# KiCad board RunType58.kicad_pcb (continued)
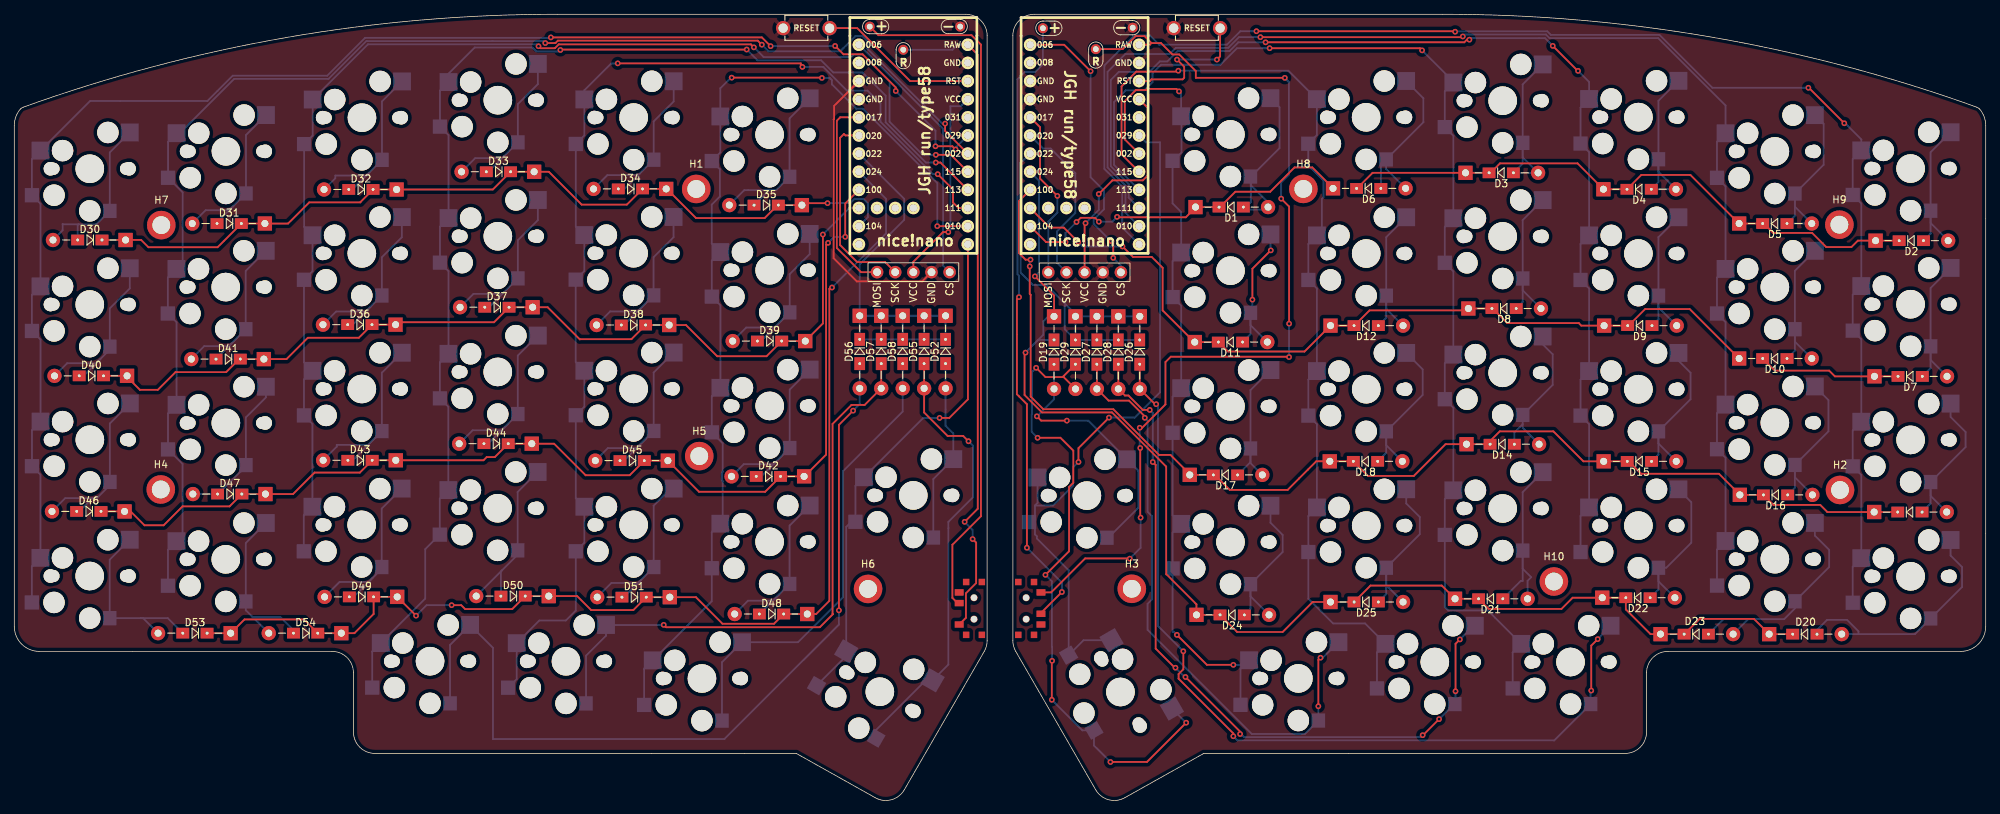
[diagram p0: board, top side]
## Routing (per net, layer and track width the routed paths; a pad name or vN(x,y) marks a point on that pad's centre or on a via; arc(x,y) is an arc through that point) (continued)
COL5: length 186.9
  Top w0.25: v1(174.42,106.89) 202.66,106.89 v1(202.76,106.99)
  Bottom w0.25: U1.14 155.54,82.32 155.54,86.13 153.04,88.63 153.04,102.04 155.52,104.53 161.71,104.53 162.58,105.4 169.93,105.4 171.42,106.89 174.42,106.89 v1(174.42,106.89) ; SW23.1 238.34,35.13 SW23.1 239.54,47.99 SW16.1 238.34,54.23 SW16.1 239.54,66.99 SW10.1 238.34,73.23 SW10.1 239.54,85.99 SW5.1 238.34,92.23 SW5.1 239.54,97.32 230.1,106.76 214.89,106.76 214.39,107.26 203.03,107.26 v1(202.76,106.99)
COL6: length 210.3
  Top w0.25: v1(251.13,99.8) 251.19,99.8 v1(256.16,94.83) ; v1(201.69,107.65) 201.62,107.72 v1(173.87,107.72)
  Bottom w0.25: v1(201.69,107.65) 201.75,107.71 214.58,107.71 215.08,107.21 230.28,107.21 237.69,99.8 251.12,99.8 v1(251.13,99.8) ; U1.13 155.09,80.23 155.09,85.94 152.59,88.44 152.59,102.93 156.77,107.12 158.97,107.12 160.24,105.85 169.74,105.85 171.62,107.72 v1(173.87,107.72) ; v1(256.16,94.83) 256.28,94.83 258.54,92.57 SW2.1 ; SW20.1 257.34,32.73 SW20.1 258.54,45.59 SW13.1 257.34,51.83 SW13.1 258.54,64.59 SW7.1 257.34,70.83 SW7.1 258.54,83.59 SW2.1 257.34,89.83 258.22,90.71
CSL: length 37.1
  Bottom w0.25: Display1.5 130.01,74.9 130.01,94.04 U2.1
CSR: length 41.1
  Top w0.25: U1.1 146.96,105.82 v1(150.66,102.12) ; v1(153.59,78.31) 153.83,78.07 v1(153.83,75.98)
  Bottom w0.25: Display2.5 154.9,74.91 v1(153.83,75.98) ; v1(150.66,102.12) 150.66,87.27 152.53,85.4 152.53,82.79 151.09,81.35 151.09,80.75 153.53,78.31 v1(153.59,78.31)
LCOL0: length 212.2
  Top w0.25: v1(105.87,105.63) 104.65,106.85 v1(75.11,106.85) ; v1(128.95,91.61) 131.31,91.61 v1(131.76,91.16) ; v1(123.39,99.35) 123.39,99.84 118.74,104.49 116.07,104.49 v1(114.9,105.66)
  Bottom w0.25: U2.19 131.76,91.42 v1(131.76,91.16) ; v1(114.9,105.66) 114.87,105.63 v1(105.87,105.63) ; SW53.1 2.46,32.77 SW53.1 3.66,45.63 SW46.1 2.48,51.85 SW46.1 3.68,64.54 SW40.1 2.47,70.79 SW40.1 3.67,83.56 SW30.1 2.47,89.8 SW30.1 10.62,97.95 27.04,97.95 30.58,101.49 43.8,101.49 49.1,106.79 75.05,106.79 v1(75.11,106.85) ; v1(128.95,91.61) 128.95,93.79 v1(123.39,99.35)
LCOL1: length 194.7
  Top w0.25: U2.18 130.29,93.76 v1(130.29,94.79) ; v1(104.63,105.84) 104.07,106.4 76.09,106.4 75.75,106.07 v1(74.33,106.07)
  Bottom w0.25: 116.02,105.32 115.61,104.91 105.57,104.91 v1(104.63,105.84) ; 116.02,105.32 115.64,104.94 ; 116.02,105.32 117.73,107.03 118.74,107.03 119.43,106.34 119.43,105.29 119.41,105.28 129.9,94.79 v1(130.29,94.79) ; SW54.1 21.51,35.11 SW54.1 23.56,37.16 23.56,47.12 SW47.1 21.52,54.2 SW47.1 22.72,66.97 SW41.1 21.5,73.23 SW41.1 23.57,75.3 23.57,85.16 SW31.1 21.53,92.24 SW31.1 23.16,93.44 30.76,101.04 43.99,101.04 49.29,106.34 74.05,106.34 v1(74.33,106.07)
LCOL2: length 173.1
  Top w0.25: v1(129,90.41) 131.1,90.41 U2.17 ; v1(103.53,105.46) 103.11,105.88 76.2,105.88 75.66,105.34 73.65,105.34 v1(73.38,105.62)
  Bottom w0.25: v1(103.53,105.46) 104.89,104.1 117.16,104.1 117.54,104.49 118.72,104.49 122.52,100.69 122.52,95.05 127.16,90.41 v1(129,90.41) ; v1(73.38,105.62) 73.1,105.89 49.51,105.89 SW32.1 41.77,93.11 SW32.1 40.57,80.33 SW36.1 41.75,74.11 SW36.1 40.55,61.36 SW43.1 40.55,58.96 SW43.1 41.73,52.74 SW49.1 40.53,39.93 SW49.1
LCOL3: length 178.2
  Top w0.25: v1(76.44,105.1) 76.5,105.16 v1(102.52,105.16) ; v1(128.99,89.33) 129.64,89.33 U2.16
  Bottom w0.25: SW55.1 50.1,20.84 SW55.1 57.52,28.26 57.52,35.18 SW50.1 59.56,42.26 SW50.1 60.76,55.13 SW44.1 59.58,61.35 SW44.1 60.78,74.12 SW37.1 59.59,80.35 SW37.1 60.79,93.16 SW33.1 59.59,99.4 SW33.1 60.79,101.78 64.45,105.44 72.53,105.44 73.08,104.89 76.24,104.89 v1(76.44,105.1) ; v1(102.52,105.16) 104.02,103.65 112.94,103.65 114.64,101.95 118.72,101.95 121.97,98.7 121.97,94.96 127.6,89.33 v1(128.99,89.33)
LCOL4: length 159.6
  Top w0.25: v1(129.26,87.7) 131.4,85.56 131.4,83.73 132.16,82.97 U2.15 ; v1(84.47,103.22) 110.09,103.22 110.09,102.95 v1(110.32,102.72)
  Bottom w0.25: v1(129.26,87.7) 128.59,87.7 121.25,95.05 121.25,97.59 119.43,99.41 116.55,99.41 113.23,102.72 v1(110.32,102.72) ; v1(84.47,103.22) 84.44,103.19 83.54,103.19 79.8,99.45 SW34.1 79.8,93.13 SW34.1 78.6,80.36 SW38.1 79.79,74.13 SW38.1 78.59,61.39 SW45.1 79.8,55.14 SW45.1 78.6,42.33 SW51.1 79.8,36.09 SW51.1 78.6,26.59 77.21,25.2 73.5,25.2 SW57.1 70.33,16.99 SW57.1
LCOL5: length 143
  Top w0.25: v1(100.42,101.22) 113.01,101.22 v1(113.05,101.18) ; U2.14 129.2,80.43 v1(129.2,80.42)
  Bottom w0.25: v1(129.2,80.42) 129.2,86.46 118.79,96.87 117.87,96.87 114.45,100.29 114.45,100.87 114.26,101.06 ; 114.1,101.22 114.26,101.06 ; 114.26,101.06 114.14,101.18 v1(113.05,101.18) ; SW58.1 88.16,18.42 SW58.1 97.63,27.89 SW48.1 97.63,37.56 SW48.1 99.16,39.09 99.16,44.75 99.07,44.83 99.07,45.93 99.16,46.02 99.16,50.03 SW42.1 97.64,56.59 SW42.1 98.84,69.35 SW39.1 97.64,75.59 SW39.1 97.63,78 97.63,83.44 98.77,84.58 98.77,88.4 SW35.1 98.83,90.74 SW35.1 98.83,99.73 100.32,101.22 v1(100.42,101.22)
LCOL6: length 73.1
  Top w0.25: U2.13 133.48,77.87 133.48,56.18 130.88,53.57 v1(129.52,53.57)
  Bottom w0.25: SW56.1 116.45,20.24 SW56.1 116.45,38.31 117.16,39.02 SW52.1 117.74,44.06 SW52.1 118.94,45.28 127.23,53.57 v1(129.52,53.57)
MOSIL: length 28.1
  Top w0.25: Display1.1 118.51,73.98 115.14,77.36 115.14,95.19 115.61,95.67 U2.5
MOSIR: length 23.8
  Top w0.25: U1.5 143.58,94.28 143.58,87.09 v1(146,84.66)
  Bottom w0.25: Display2.1 144.74,81.06 146,82.33 v1(146,84.66)
RAWL: length 93.5
  Top w0.25: v1(133.02,39.02) 134.86,40.85 134.86,104.43 U2.24 ; v1(134.14,36.61) 134.64,36.11 134.64,30.44 133.21,29.02 133.21,25.59 132.26,24.64
  Bottom w0.25: Bat+2.1 131.32,105.13 132.02,105.83 U2.24 ; v1(134.14,36.61) 134.14,37.9 v1(133.02,39.02)
RAWR: length 135.1
  Top w0.25: v1(177.34,84.27) 178.45,83.16 v1(178.45,66.77) ; v1(156.14,33.86) 156.11,33.89 149.89,33.89 145.14,29.14 143.71,29.14 ; v1(157.61,49.36) 157.61,39.66 v1(157.66,39.61) ; 159.18,106.06 158.2,107.04 156.97,107.04 155.14,105.22 Bat+1.1 ; 159.18,106.06 160.52,106.06 162.1,104.47 163.06,104.47 165.39,102.14 165.39,101.19 v1(177.84,101.19) ; 159.18,106.06 158.94,105.82 U1.24 ; v1(178.44,62.09) 178.38,62.15 161.89,62.15 161.14,61.39 161.14,55.47 157.86,52.19 v1(157.54,52.19)
  Bottom w0.25: v1(178.45,66.77) 178.44,66.76 v1(178.44,62.09) ; v1(157.54,52.19) 157.54,49.43 v1(157.61,49.36) ; v1(157.66,39.61) 157.66,35.38 v1(156.14,33.86) ; v1(177.34,84.27) 177.34,86.54 178.42,87.62 178.42,100.61 v1(177.84,101.19) 178.44,100.59
RESETL: length 22.4
  Top w0.25: U2.22 125.4,100.75 117.99,108.16 114.13,108.16
RESETR: length 19.6
  Top w0.25: U1.22 158.94,100.74 159.18,100.98 163.54,100.98 163.76,101.2 163.76,102.75 v1(162.76,103.75) ; RSW1.2 168.79,104.2 v1(168.34,103.75)
  Bottom w0.25: v1(168.34,103.75) v1(162.76,103.75)
ROW0: length 134.4
  Top w0.25: D2.1 260.54,78.39 D2.1 258.05,78.39 257.15,77.5 253.62,77.5 251.65,79.47 246.21,79.47 244.89,80.79 D5.1 241.44,80.79 D5.1 241.41,80.79 234.62,87.59 227.74,87.59 D4.1 222.44,85.59 D4.1 218.81,89.22 207.96,89.22 206.64,87.89 D3.1 206.43,87.89 D3.1 190.13,87.89 187.95,85.71 D6.1 ; v1(151.81,81.05) 151.27,81.59 149.27,81.59 v1(148.69,81.01) ; 165.38,82.92 165.24,82.92 163.99,81.67 154.43,81.67 v1(154.36,81.73) ; D6.1 184.59,85.75 181.69,88.65 179.2,88.65 175.8,85.25 170.92,85.25 168.77,83.09 D1.1 168.63,83.09 D1.1 ; v1(147.15,78.19) 144.43,78.19 U1.11
  Bottom w0.25: v1(148.69,81.01) 147.15,79.47 v1(147.15,78.19) ; v1(151.81,81.05) 153.68,81.05 v1(154.36,81.73)
ROW1: length 138.3
  Top w0.25: D10.1 246.44,60.19 254.04,60.19 254.84,59.39 D7.1 263.67,59.39 D7.1 ; U1.10 144.94,80.22 146.91,80.22 v1(148.94,78.19) ; v1(155.12,77.58) 156.59,76.11 159.22,76.11 160.74,74.59 160.74,68.63 165.18,64.19 D11.1 165.24,64.19 D11.1 168.58,64.19 169.9,62.87 180.6,62.87 184.22,66.49 D12.1 184.24,66.49 D12.1 ; 187.57,66.49 189.71,68.63 203.28,68.63 D8.1 206.83,68.89 D8.1 206.94,68.89 208.98,66.85 218.99,66.85 219.34,66.49 D9.1 225.83,66.49 D9.1 225.95,66.49 228.28,68.82 234.51,68.82 D10.1
  Bottom w0.25: v1(155.12,77.58) 155.11,77.58 149.54,77.58 v1(148.94,78.19)
ROW2: length 167.6
  Top w0.25: v1(142.14,74.79) 142.14,70.95 142.27,70.82 142.27,56.56 144.04,54.79 153.84,54.79 160.24,48.39 161.84,48.39 164.54,45.69 ; D13.1 260.34,40.39 D13.1 253.78,40.39 252.79,41.39 246.24,41.39 D16.1 241.54,42.79 D16.1 241.54,42.83 238.61,45.75 227.72,45.75 225.98,47.49 D15.1 225.77,47.49 D15.1 219.64,47.49 215.44,51.69 207.94,51.69 206.58,50.33 D14.1 206.57,49.89 D14.1 200.34,49.89 195.89,45.45 189.48,45.45 D18.1 187.43,47.49 D18.1 182.24,47.49 178.24,43.49 170.14,43.49 168.04,45.59 D17.1 167.83,45.59 D17.1 ; v1(142.25,75.73) 141.55,75.73 140.62,76.66 140.62,83.92 U1.9
  Bottom w0.25: v1(142.14,74.79) 142.14,75.62 v1(142.25,75.73)
ROW3: length 178.1
  Top w0.25: D20.1 248.93,23.29 D20.1 243.5,25.43 235.9,25.43 233.76,23.29 D23.1 233.73,23.29 D23.1 229.04,23.29 225.58,26.76 D22.1 222.28,28.39 D22.1 218.13,28.39 216.56,26.82 206.39,26.82 D21.1 201.67,28.24 D21.1 199.82,30.09 189.84,30.09 D25.1 184.24,27.79 D25.1 181.74,27.79 177.54,23.59 171.17,23.59 D24.1 165.48,25.99 D24.1 165.48,27.47 161.24,31.71 161.24,46.76 153.65,54.34 143.85,54.34 141.41,56.78 141.41,62.58 v1(141.55,62.72) ; v1(142.86,73.39) 145.54,70.71 D19.1
  Bottom w0.25: 143.22,64.4 143.31,64.49 D19.1 ; 143.22,64.4 144.04,65.22 144.04,67.09 144.74,67.79 D19.1 ; 143.22,64.4 141.55,62.73 v1(141.55,62.72) ; v1(142.86,73.39) 143.44,73.97 143.44,86.8 U1.8
ROW4: length 64.4
  Bottom w0.25: D28.1 D26.1 157.54,67.79 D26.1 D28.1 ; D28.1 154.54,67.79 D28.1 ; D28.1 D27.1 ; D27.1 D29.1 ; D27.1 151.54,67.79 D27.1 ; D29.1 148.54,67.79 D29.1 ; D29.1 147.04,65.99 147.04,69.29 147.19,69.44 ; U1.7 140.87,89.26 140.87,73.89 142.57,72.19 144.44,72.19 147.19,69.44 ; D28.1 D27.1 ; D27.1 D29.1 ; D29.1 148.54,68.09 147.19,69.44
ROWL0: length 121.5
  Top w0.25: 91.34,85.64 95.42,81.56 105.04,81.56 106.85,83.37 D35.1 110.24,83.37 D35.1 110.77,83.37 111.05,83.65 v1(113.83,83.65) ; D30.1 15.57,78.49 D30.1 17.76,78.49 18.78,77.47 28.46,77.47 D31.1 35.07,80.79 D31.1 38.32,80.79 41.29,83.75 48.44,83.75 48.44,83.78 D32.1 53.51,85.56 D32.1 66.98,85.56 D33.1 72.76,88.04 D33.1 74.82,88.04 79.42,83.44 85.75,83.44 D34.1 91.24,85.64 D34.1
  Bottom w0.25: U2.11 119.49,81.69 119.49,83.62 118.85,84.26 117.63,84.26 117.02,83.65 v1(113.83,83.65)
ROWL1: length 131.4
  Top w0.25: D40.1 15.78,59.46 D40.1 15.79,59.3 17.59,57.5 20.09,57.5 22.57,59.98 29.66,59.98 31.49,61.81 D41.1 34.93,61.81 D41.1 38.1,61.81 41.09,64.79 48.23,64.79 D36.1 53.36,66.63 D36.1 ; 53.7,66.97 67.15,66.97 D37.1 72.55,69.07 D37.1 74.66,69.07 79.16,64.57 79.18,64.6 86.38,64.6 D38.1 91.66,66.58 D38.1 94.02,66.58 98.39,62.21 105.29,62.21 D39.1 110.71,64.33 D39.1 113.19,66.8 v1(113.19,79.25)
  Bottom w0.25: v1(113.19,79.25) 116.9,82.97 U2.10
ROWL2: length 153.6
  Top w0.25: D46.1 15.43,40.48 D46.1 16.28,40.48 18.23,38.53 20.91,38.53 23.56,41.18 30.13,41.18 D47.1 35.15,42.91 D47.1 39.02,42.91 42.04,45.92 48.38,45.92 D43.1 53.39,47.64 D43.1 65.68,47.64 66.12,48.08 67.26,48.08 D44.1 72.43,49.96 D44.1 75.56,49.96 79.98,45.54 79.98,45.55 86.14,45.55 D45.1 91.48,47.59 D45.1 91.49,47.59 95.84,43.23 105.1,43.23 D42.1 110.55,45.38 D42.1 110.58,45.38 113.64,48.43 113.64,77.82 v1(113.91,78.09) ; U2.9 116.31,83.59 v1(116.31,78.93)
  Bottom w0.25: v1(113.91,78.09) 114.75,78.93 v1(116.31,78.93)
ROWL3: length 164.4
  Top w0.25: D49.1 53.59,28.51 D49.1 50.3,26.12 47.61,23.43 D54.1 45.77,23.43 D54.1 40.56,25.35 32.22,25.35 30.29,23.42 D53.1 30.28,23.43 D53.1 ; v1(114.46,71.83) 114.27,71.83 114.09,71.65 114.09,27.95 112.25,26.11 D48.1 110.99,26.11 D48.1 106.33,24.74 99.13,24.74 95.41,28.47 D51.1 91.75,28.47 D51.1 86.66,26.67 80.74,26.67 78.79,28.62 D50.1 74.81,28.62 D50.1 69.71,26.81 63.1,26.81 62.56,27.35 v1(61.22,27.35) ; 53.61,28.51 v1(56.24,25.88)
  Bottom w0.25: v1(114.46,71.83) 122.03,79.4 122.03,84.25 U2.8 ; v1(56.24,25.88) 57.71,27.35 v1(61.22,27.35)
ROWL4: length 68.5
  Bottom w0.25: D57.1 121.35,67.87 D57.1 ; D57.1 D58.1 ; D57.1 D56.1 118.34,67.87 D56.1 ; D57.1 D56.1 ; D57.1 D58.1 ; D55.1 D52.1 130.35,67.87 D52.1 D55.1 ; D55.1 D58.1 ; D55.1 127.35,67.87 D55.1 ; D55.1 D58.1 ; D58.1 124.35,67.87 D58.1 ; D56.1 118.34,75.08 124.57,81.31 124.57,84.25 U2.7
SCKL: length 27.3
  Top w0.25: Display1.2 121.89,75.4 117.97,75.4 115.59,77.79 115.59,92.79 116.13,93.34 116.34,93.13 U2.6
SCKR: length 24
  Bottom w0.25: Display2.2 145.94,75.3 145.94,79.67 148.52,82.25 148.52,87.84 145.07,91.29 144.03,91.29 U1.6
Net-(D1-Pad2): length 27.2
  Bottom w0.25: 173.08,87.33 173.08,83.77 172.04,82.73 172.04,82.73 175.5,82.73 175.5,83.74 173.08,86.15 173.08,87.33 ; 173.08,87.33 177.1,91.35 177.1,97.08 175.88,98.31
Net-(D2-Pad2): length 22
  Bottom w0.25: SW2.2 268.24,80.85 D2.2 ; SW2.2 268.24,90.77 SW2.2 ; SW2.2 268.24,79.39 D2.2
Net-(D3-Pad2): length 25.4
  Bottom w0.25: SW3.2 211.14,90.05 D3.2 209.84,87.89 D3.2 211.14,89.19 SW3.2 ; SW3.2 211.14,100.27 SW3.2
Net-(D4-Pad2): length 25.4
  Bottom w0.25: SW4.2 230.14,97.97 SW4.2 ; SW4.2 230.14,88.05 D4.2 229.14,85.59 D4.2 230.14,86.59 SW4.2
Net-(D5-Pad2): length 26.4
  Bottom w0.25: SW5.2 249.24,81.89 D5.2 248.14,80.79 D5.2 249.24,83.15 SW5.2 ; SW5.2 253.26,89.02 253.26,94.75 SW5.2
Net-(D6-Pad2): length 23.7
  Bottom w0.25: D6.2 191.29,89.03 SW6.2 ; SW6.2 197.24,94.98 197.24,98.34 SW6.2 ; SW6.2 192.02,88.44 D6.2
Net-(D7-Pad2): length 22
  Bottom w0.25: SW7.2 268.24,71.77 SW7.2 ; SW7.2 268.24,61.69 D7.2 ; SW7.2 268.24,60.55 D7.2
Net-(D8-Pad2): length 22
  Bottom w0.25: SW8.2 211.14,71.45 D8.2 ; SW8.2 211.14,69.79 D8.2 ; SW8.2 211.14,81.27 SW8.2
Net-(D9-Pad2): length 22
  Bottom w0.25: SW9.2 230.14,67.39 D9.2 ; SW9.2 230.14,69.05 D9.2 ; SW9.2 230.14,78.87 SW9.2
Net-(D10-Pad2): length 21.8
  Bottom w0.25: SW10.2 249.24,74.17 SW10.2 ; SW10.2 249.24,62.99 D10.2 ; SW10.2 249.24,64.25 D10.2
Net-(D11-Pad2): length 21.8
  Top w0.25: v1(173.31,70.13) 173.31,74.46 v1(175.88,77.03)
  Bottom w0.25: D11.2 173.04,66.55 SW11.2 ; SW11.2 173.04,65.29 D11.2 ; SW11.2 173.31,68.56 v1(173.31,70.13) ; SW11.2 175.84,77.07 v1(175.88,77.03)
Net-(D12-Pad2): length 22
  Bottom w0.25: D12.2 192.04,67.59 SW12.2 ; SW12.2 192.04,78.87 SW12.2 ; SW12.2 192.04,68.85 D12.2
Net-(D13-Pad2): length 23.7
  Bottom w0.25: SW13.2 271.04,53.69 273.14,51.59 273.14,49.49 SW13.2 ; SW13.2 268.24,41.59 D13.2 ; SW13.2 268.24,42.65 D13.2
Net-(D14-Pad2): length 21.6
  Bottom w0.25: D14.2 209.98,51.53 211.14,52.69 ; 211.14,52.69 211.14,52.19 D14.2 ; 211.14,52.69 SW14.2 215.34,58.19 215.34,62.49 213.94,63.89 SW14.2
Net-(D15-Pad2): length 23.4
  Bottom w0.25: SW15.2 234.64,56.19 234.64,59.89 232.94,61.59 SW15.2 ; SW15.2 230.14,49.99 D15.2 ; SW15.2 230.14,48.45 D15.2
Net-(D16-Pad2): length 23.5
  Bottom w0.25: SW16.2 249.24,43.79 D16.2 ; SW16.2 249.24,45.25 D16.2 ; SW16.2 253.94,51.69 253.94,56.07 SW16.2
Net-(D17-Pad2): length 21
  Bottom w0.25: SW17.2 173.04,57.47 SW17.2 ; SW17.2 173.04,47.39 D17.2 ; SW17.2 173.04,47.25 D17.2
Net-(D18-Pad2): length 23.9
  Bottom w0.25: SW18.2 197.14,60.37 197.14,56.79 SW18.2 ; SW18.2 192.04,49.75 D18.2 ; SW18.2 192.04,48.69 D18.2
Net-(D20-Pad2): length 34.9
  Bottom w0.25: 258.14,23.29 266.04,23.29 SW20.2 272.64,29.89 272.64,32.69 271.04,34.29 SW20.2 ; 258.14,23.29 258.14,23.69 256.54,25.29 253.74,25.29 252.34,23.89 D20.2 ; 258.14,23.29 D20.2
Net-(D21-Pad2): length 27.6
  Bottom w0.25: SW21.2 211.14,30.74 210.87,30.74 D21.2 ; SW21.2 211.14,43.17 SW21.2 ; SW21.2 211.14,32.45 212.33,31.26 211.83,30.76 D21.2
Net-(D22-Pad2): length 24.1
  Bottom w0.25: SW22.2 230.14,30.69 D22.2 ; SW22.2 230.14,29.55 D22.2 ; SW22.2 231.24,32.59 234.74,36.09 234.74,41.77 SW22.2
Net-(D23-Pad2): length 31.4
  Bottom w0.25: D23.2 239.24,25.39 242.74,25.39 ; D23.2 242.69,25.39 242.74,25.39 ; 242.74,25.39 247.74,25.39 249.24,26.89 SW23.2 254.04,32.69 254.04,35.09 252.04,37.09 SW23.2
Net-(D24-Pad2): length 23.6
  Bottom w0.25: SW24.2 173.04,28.59 D24.2 ; SW24.2 177.54,34.79 177.54,37.19 175.84,38.89 SW24.2 ; SW24.2 173.04,26.85 D24.2
Net-(D25-Pad2): length 24.7
  Bottom w0.25: SW25.2 192.04,28.89 D25.2 ; SW25.2 192.04,30.15 D25.2 ; SW25.2 196.74,37.29 196.74,39.69 194.84,41.59 SW25.2
Net-(D26-Pad2): length 122.6
  Top w0.25: v1(220.74,15.39) 220.74,21.69 v1(221.64,22.59) ; v1(159.84,55.49) 159.68,55.49 D26.2 157.54,57.63 D26.2 ; v1(170.64,8.99) 170.64,9.39 162.97,17.06 162.97,17.71 163.64,18.37 v1(163.64,20.89)
  Bottom w0.25: v1(170.64,8.99) 171.21,8.42 215.56,8.42 SW26.2 220.64,15.29 v1(220.74,15.39) ; v1(221.64,22.59) 223.44,24.39 SW26.2 ; v1(159.84,55.49) 160.09,55.24 160.09,24.44 v1(163.64,20.89)
Net-(D28-Pad2): length 104.3
  Top w0.25: v1(162.54,18.59) 162.44,18.59 159.77,21.26 159.77,46.99 v1(159.36,47.39) ; v1(158.94,54.69) 157.97,54.69 155.95,56.71 155.46,56.71 D28.2 154.54,61.09 D28.2 ; v1(202.35,22.55) 201.74,21.94 v1(201.74,15.29) ; v1(163.94,17.29) 171.58,9.64 v1(171.58,9.31) ; v1(197.14,9.14) 197.19,9.14 v1(199.44,11.39)
  Bottom w0.25: v1(202.35,22.55) 204.27,24.47 SW28.2 ; v1(163.94,17.29) 163.84,17.29 v1(162.54,18.59) ; v1(158.94,54.69) 159.36,54.27 v1(159.36,47.39) ; v1(201.74,15.29) 201.74,13.59 SW28.2 201.54,13.49 v1(199.44,11.39) ; v1(171.58,9.31) 171.72,9.31 172.16,8.87 197.01,8.87 197.01,9.02 v1(197.14,9.14)
Net-(D30-Pad2): length 24.6
  Bottom w0.25: D30.2 6.77,79.84 6.77,80.71 6.79,80.69 8.98,80.69 ; 8.98,80.69 8.88,80.58 D30.2 ; 8.98,80.69 11.49,80.69 SW30.2 13.37,90.74 SW30.2
Net-(D31-Pad2): length 24.8
  Bottom w0.25: SW31.2 32.43,93.18 SW31.2 30.66,83.23 ; 30.66,83.23 30.08,82.65 26.78,82.65 D31.2 ; 30.66,83.23 28.38,80.95 D31.2
Net-(D32-Pad2): length 26.1
  Bottom w0.25: 49.71,87.95 49.27,87.51 44.94,87.51 44.94,87.14 D32.2 ; 49.71,87.95 47.32,85.56 D32.2 ; 49.71,87.95 SW32.2 51.47,97.89 SW32.2
Net-(D33-Pad2): length 24.8
  Bottom w0.25: 66.37,88.04 68.52,90.2 ; 68.52,90.2 SW33.2 70.49,97.51 73.29,100.31 SW33.2 ; 68.52,90.2 68.27,89.94 64.51,89.94 D33.2
Net-(D34-Pad2): length 26.1
  Bottom w0.25: SW34.2 92.3,97.88 89.5,95.08 SW34.2 87.53,87.76 ; 87.53,87.76 87.34,87.57 83.02,87.57 D34.2 ; 87.53,87.76 85.41,85.64 D34.2
Net-(D35-Pad2): length 25.2
  Bottom w0.25: D35.2 102.18,85.47 105.59,85.47 ; SW35.2 108.53,95.52 SW35.2 106.65,85.47 105.59,85.47 ; 105.59,85.47 105.59,85.42 D35.2
Net-(D36-Pad2): length 26.3
  Bottom w0.25: D36.2 47.37,66.63 49.87,69.13 ; SW36.2 54.25,78.86 51.45,76.06 SW36.2 49.87,69.13 ; 49.87,69.13 49.21,68.47 45.05,68.47 D36.2
Net-(D37-Pad2): length 25.5
  Bottom w0.25: 68.55,71.18 SW37.2 70.49,78.46 73.29,81.26 SW37.2 ; 68.55,71.18 66.45,69.07 D37.2 ; 68.55,71.18 68.32,70.94 64.27,70.94 D37.2
Net-(D38-Pad2): length 28.1
  Bottom w0.25: SW38.2 92.29,78.88 89.49,76.08 SW38.2 ; SW38.2 87.24,68.48 83.41,68.48 D38.2 ; SW38.2 85.34,66.58 D38.2
Net-(D39-Pad2): length 28
  Bottom w0.25: D39.2 104.52,64.33 SW39.2 ; D39.2 102.45,66.22 106.41,66.22 SW39.2 ; SW39.2 108.54,73.7 111.34,76.5 SW39.2
Net-(D40-Pad2): length 25.8
  Bottom w0.25: SW40.2 16.17,71.7 13.37,68.9 SW40.2 13.37,63.13 12.05,61.81 ; 12.05,61.81 9.7,59.46 D40.2 ; 12.05,61.81 11.47,61.23 7.4,61.23 D40.2
Net-(D41-Pad2): length 25.8
  Bottom w0.25: D41.2 26.59,63.62 30.03,63.62 31.24,64.83 ; D41.2 28.24,61.83 31.24,64.83 ; SW41.2 32.4,74.17 SW41.2 31.24,64.83
Net-(D42-Pad2): length 28.2
  Bottom w0.25: SW42.2 106.28,47.09 102.11,47.09 D42.2 ; SW42.2 108.54,57.53 SW42.2 ; SW42.2 104.57,45.38 D42.2
Net-(D43-Pad2): length 28.6
  Bottom w0.25: SW43.2 51.45,59.9 SW43.2 ; SW43.2 47.37,47.64 D43.2 ; SW43.2 49.52,49.79 45.14,49.79 45.14,49.54 D43.2
Net-(D44-Pad2): length 26.6
  Bottom w0.25: 69.14,52.78 68.21,51.84 64.16,51.84 D44.2 ; 69.14,52.78 66.33,49.96 D44.2 ; 69.14,52.78 SW44.2 70.48,62.29 SW44.2
Net-(D45-Pad2): length 27
  Bottom w0.25: 88.44,50.68 SW45.2 89.5,59.92 SW45.2 ; 88.44,50.68 85.35,47.59 D45.2 ; 88.44,50.68 87.1,49.34 83.08,49.34 D45.2
Net-(D46-Pad2): length 25.6
  Bottom w0.25: D46.2 7.13,42.33 11.31,42.33 ; 11.31,42.33 11.56,42.33 13.38,44.15 SW46.2 13.38,52.79 SW46.2 ; 11.31,42.33 10.95,42.33 9.1,40.48 D46.2
Net-(D47-Pad2): length 21.3
  Bottom w0.25: D47.2 28.45,42.91 D47.2 28.51,42.91 32.42,46.82 SW47.2 32.42,53.64 35.22,56.44 SW47.2
Net-(D48-Pad2): length 25.5
  Bottom w0.25: D48.2 102.7,27.97 106.18,27.97 107.06,28.86 ; 107.06,28.86 SW48.2 108.53,38.5 SW48.2 ; 107.06,28.86 104.32,26.11 D48.2
Net-(D49-Pad2): length 26.4
  Bottom w0.25: D49.2 45.53,30.6 49.59,30.6 50.16,31.17 ; D49.2 47.5,28.51 50.16,31.17 ; 50.16,31.17 51.43,32.44 SW49.2 51.43,40.87 SW49.2
Net-(D50-Pad2): length 24.7
  Bottom w0.25: 68.3,32.27 70.46,34.42 SW50.2 70.46,43.2 SW50.2 ; 68.3,32.27 D50.2 ; 68.3,32.27 68.12,32.08 D50.2
Net-(D51-Pad2): length 25.6
  Bottom w0.25: 87.67,30.82 87.32,30.46 83.59,30.46 D51.2 ; 87.67,30.82 85.33,28.47 D51.2 ; 87.67,30.82 89.5,32.64 SW51.2 89.5,41.28 91.89,43.67 SW51.2
Net-(D52-Pad2): length 26
  Bottom w0.25: D52.2 130.36,61.17 D52.2 130.36,52.47 131.44,51.39 SW52.2 128.64,45 SW52.2
Net-(D53-Pad2): length 26.6
  Bottom w0.25: D53.2 18.02,25.53 17.68,25.53 ; SW53.2 13.36,33.71 SW53.2 17.68,25.53 ; 17.68,25.53 21.49,25.53 D53.2
Net-(D54-Pad2): length 24.8
  Bottom w0.25: SW54.2 32.41,36.05 SW54.2 32.41,26.64 33.34,25.71 ; 33.34,25.71 D54.2 ; 33.34,25.71 37.23,25.71 39.08,23.86 D54.2
Net-(D55-Pad2): length 62.7
  Top w0.25: D55.2 127.36,61.17 127.36,54.33 130.65,51.04 132.83,51.04 v1(133.57,50.3)
  Bottom w0.25: v1(133.57,50.3) 134.2,49.67 134.2,42.46 130.75,39.01 130.75,19.03 SW56.2 127.59,16.83 120.63,9.88 SW56.2
Net-(D56-Pad2): length 122.3
  Top w0.25: v1(115.43,26.62) 115.43,52.6 v1(117.42,54.59)
  Bottom w0.25: D56.2 118.34,61.17 D56.2 118.34,55.51 v1(117.42,54.59) ; v1(115.43,26.62) 115.43,24.63 99.4,8.6 67.01,8.6 67.01,21.37 SW55.2 61,21.78 SW55.2
Net-(D57-Pad2): length 83.8
  Top w0.25: D57.2 121.35,61.17 D57.2 119.02,55.38 117.19,55.38 114.54,52.73 114.54,26.14 114.59,26.09 112.76,24.26 91.24,24.26 v1(90.91,24.59)
  Bottom w0.25: SW57.2 80.03,20.27 82.83,23.07 SW57.2 90.89,24.57 v1(90.91,24.59)
Net-(D58-Pad2): length 65.1
  Bottom w0.25: SW58.2 99.06,19.36 SW58.2 109.7,22.16 116,28.47 116,46.11 124.36,54.46 D58.2 124.36,61.17 D58.2
Net-(SW19-Pad2): length 37
  Top w0.25: v1(143.14,53.79) 143.74,53.19 v1(147.34,53.19)
  Bottom w0.25: 145.54,61.09 D19.2 145.54,56.19 v1(143.14,53.79) ; v1(147.34,53.19) 150.32,53.19 SW19.2 157.34,46.17 157.34,40.99 153.14,36.79 SW19.2
Net-(SW27-Pad2): length 85.4
  Top w0.25: v1(182.84,19.99) 182.54,19.69 v1(182.54,13.19) ; D27.2 151.54,61.09 D27.2 153.18,55.99 156.04,55.99 158.24,53.79 v1(158.24,53.59)
  Bottom w0.25: v1(182.84,19.99) 183.16,19.99 SW27.2 ; v1(158.24,53.59) 158.64,53.19 158.64,40.43 159.28,39.79 159.28,28.18 158.64,27.54 158.64,23.89 173.21,9.32 180.66,9.32 SW27.2 v1(182.54,13.19)
Net-(SW29-Pad2): length 91
  Top w0.25: D29.2 146.88,59.43 146.88,59.29 ; v1(145.23,14.1) 145.23,19.52 v1(145.27,19.56) ; v1(153.44,5.39) 158.54,5.39 v1(164.04,10.89) ; v1(143.04,60.59) 144.34,59.29 146.88,59.29 ; 146.88,59.29 D29.2 ; v1(143.24,50.79) 146.44,50.79 148.24,48.99 148.24,44.49 147.64,43.89 147.64,34.89 v1(144.34,31.59)
  Bottom w0.25: v1(145.23,14.1) 145.24,14.09 145.24,14.08 149.5,9.82 SW29.2 151.13,7.7 v1(153.44,5.39) ; v1(144.34,31.59) 145.24,30.69 145.24,21.53 145.27,21.5 v1(145.27,19.56) ; v1(143.04,60.59) 142.44,59.99 142.44,54.12 142.41,54.09 142.41,51.62 v1(143.24,50.79) ; v1(164.04,10.89) 164.03,10.89 SW29.2

## Copper pours and planes (outline as drawn; the poured copper is in the pictures)
GND on Top, Bottom: 281.94,114.19 278.54,-6.91 137.73,-0.67 139.73,114.13
GND1 on Top, Bottom: 137.11,-4.72 -4.23,5.81 -2.45,113.69 -2.56,116.53 136.99,117

## Text on the board
B.Silkscreen: R | +
F.Silkscreen: R | + | JGH run/type58
